# Altium PCB PCB_Raspberry_V5.PcbDoc (part 1 of 2) (continued)
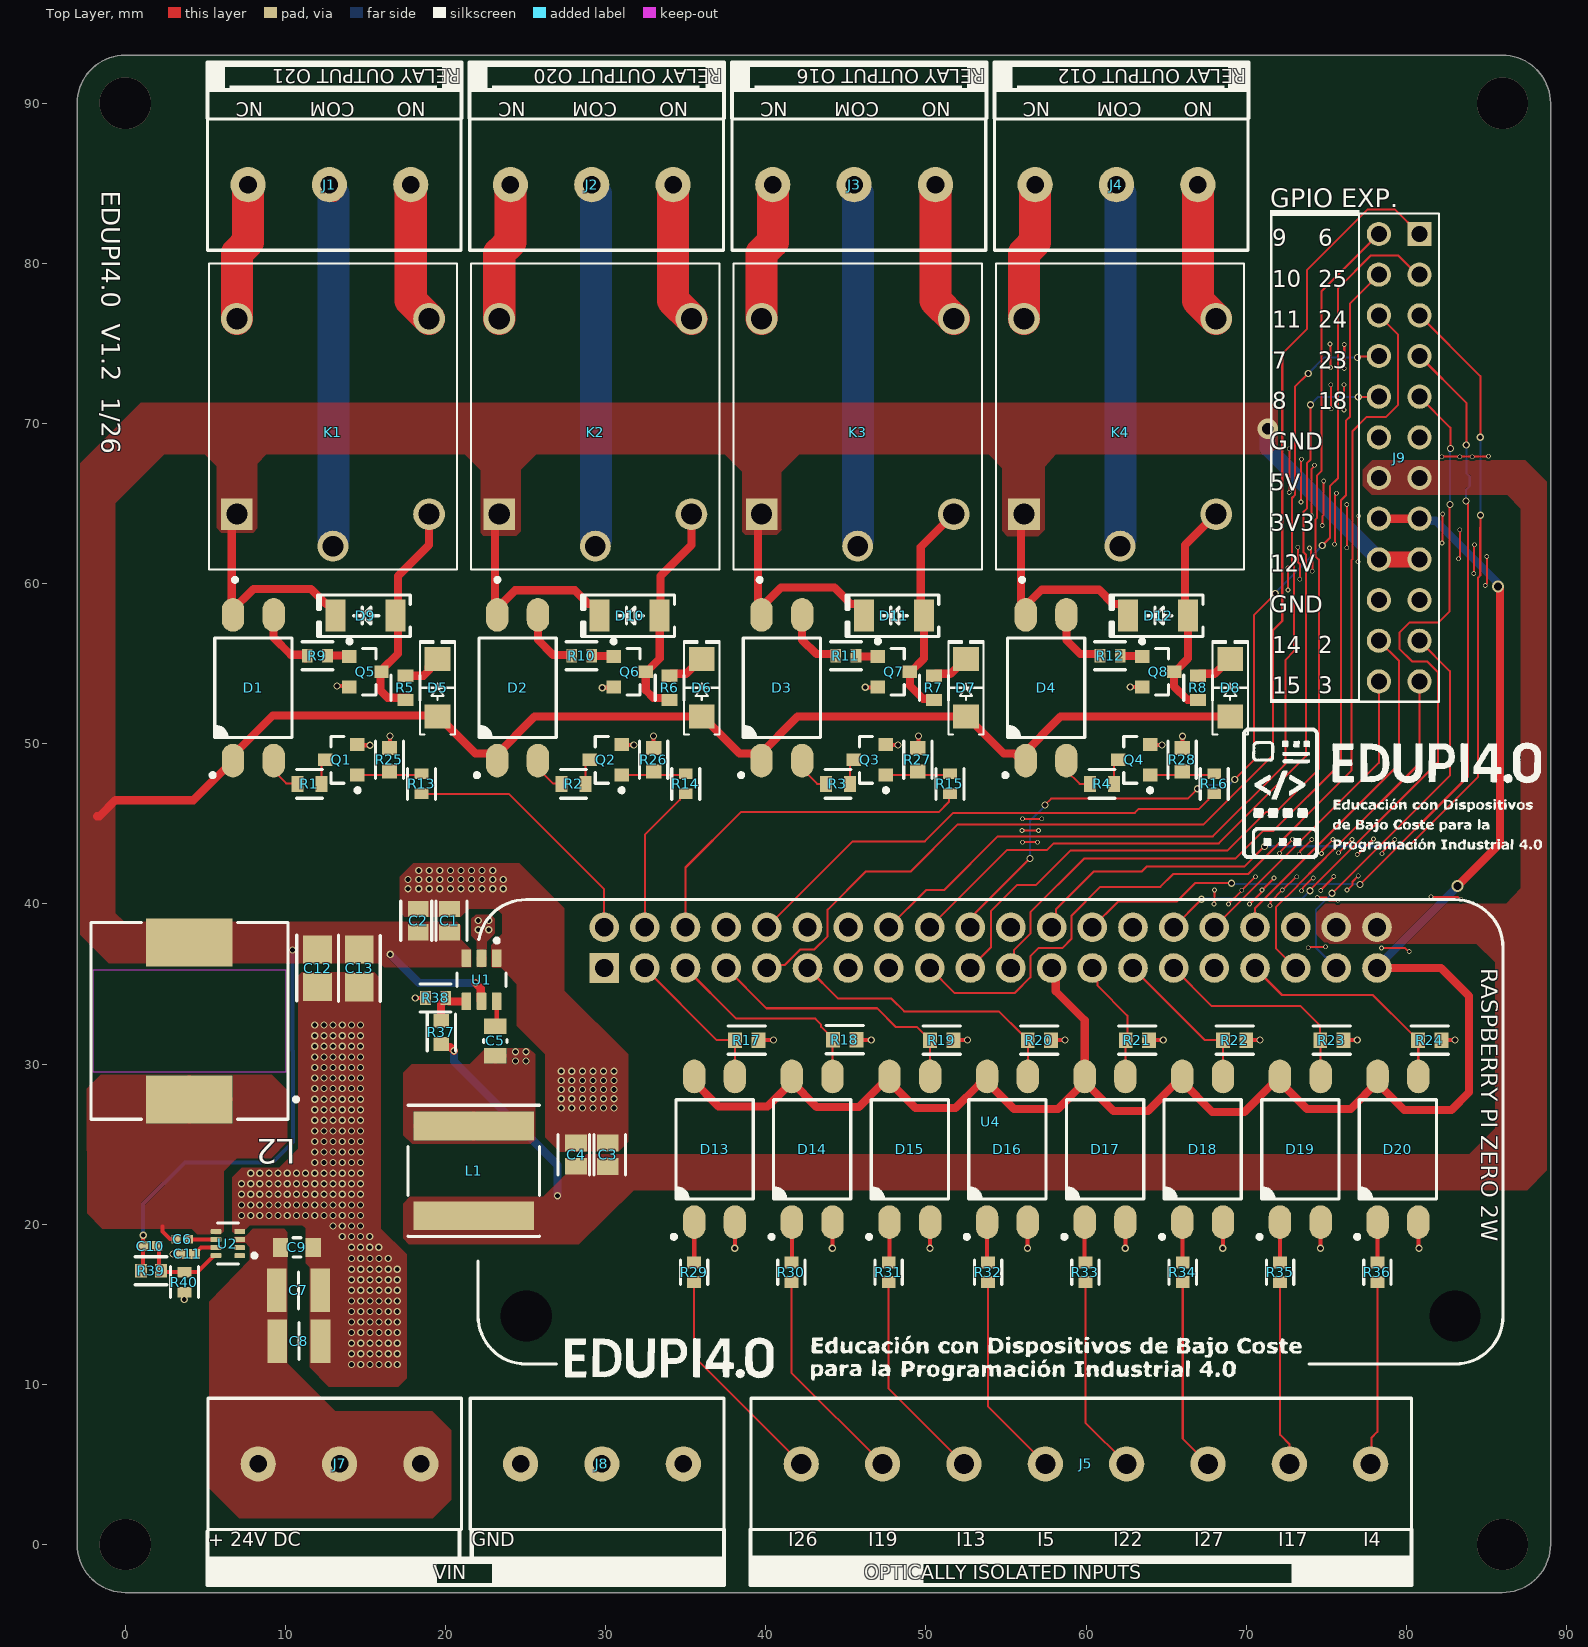
[diagram p0: Top Layer view]
## Footprints (in the part's own frame and the unit in brackets; to place one, negate y for a bottom-side part, rotate by r counter-clockwise, add the part's x,y. Pads: shape width x height; smd on the part's side, far side on the other; paste and mask are expansions set on the pad)
"2X12 MALE HEADER" [mm]
  rect 1.508x1.508 hole 1: 1(-13.97,1.27)
  round 1.508 hole 1: 2(-11.43,1.27) 3(-8.89,1.27) 4(-6.35,1.27) 5(-3.81,1.27) 6(-1.27,1.27) 7(1.27,1.27) 8(3.81,1.27) 9(6.35,1.27) 10(8.89,1.27) 11(11.43,1.27) 12(13.97,1.27) 13(-13.97,-1.27) 14(-11.43,-1.27) 15(-8.89,-1.27) 16(-6.35,-1.27) 17(-3.81,-1.27) 18(-1.27,-1.27) 19(1.27,-1.27) 20(3.81,-1.27) 21(6.35,-1.27) 22(8.89,-1.27) 23(11.43,-1.27) 24(13.97,-1.27)
  silkscreen extent -15.24,-2.5 15.24,2.5
CAPC1005X55X25LL05T10 [mm] "Chip Capacitor, 2-Leads, Body 1.05x0.55mm, IPC High Density"
  rect 0.56x0.52 smd: 1(-0.39,0) 2(0.39,0)
  body extent -0.53,-0.28 0.53,0.28, height 0.55
CAPC1005X55X25NL05T10 [mm] "Chip Capacitor, 2-Leads, Body 1.00x0.50mm, IPC Medium Density"
  rect 0.66x0.62 smd: 1(-0.44,0) 2(0.44,0)
  body extent -0.53,-0.28 0.53,0.27, height 0.55
CAPC3225X270N [mm]
  rect 1.22x2.72 smd: 1(-1.35,0) 2(1.35,0)
  silkscreen extent 0,-1.15 0,1.15, body extent -1.6,-1.25 1.6,1.25, height 2.7
FP-C3216-160-0_2-IPC_B [mm]
  rect 1.754x1.806 smd paste+0 mask+0: 1(-1.176,0) 2(1.176,0)
  silkscreen extent -2.05,-1.3 2.05,1.3, body extent -2.3,-1.15 2.3,1.15, height 0.25
FP-CC0805-0_85-MFG [mm]
  rect 0.95x1.4 smd paste+0 mask+0: 1(-0.925,0) 2(0.925,0)
  silkscreen extent -0.08,-0.72 0.08,0.72, body extent -1.6,-1.05 1.6,1.05, height 0.25
FP-CGA3E-0_3-0_1-IPC_A [mm]
  rect 0.956x1.206 smd paste+0 mask+0: 1(-1.025,0) 2(1.025,0)
  silkscreen extent -0.25,-0.6 0.25,0.6, body extent -2,-1.1 2,1.1, height 0.25
FP-CRCW0603-e3-IPC_C [mm]
  rect 0.735x0.862 smd paste+0 mask+0: 1(-0.615,0) 2(0.615,0)
  silkscreen extent -0.75,-0.85 0.75,0.85, body extent -1.08,-0.58 1.08,0.58, height 0.25
FP-CRCW0603-HPe3-IPC_C [mm]
  rect 0.758x0.862 smd paste+0 mask+0: 1(-0.627,0) 2(0.627,0)
  silkscreen extent -1.01,-0.87 1.01,0.87, body extent -1.11,-0.58 1.11,0.58, height 0.25
FP-CRCW0603-HPe3-MFG [mm]
  rect 0.75x1 smd paste+0 mask+0: 1(-0.75,0) 2(0.75,0)
  silkscreen extent -0.8,-0.9 0.8,0.9, body extent -1.22,-0.6 1.22,0.6, height 0.25
FP-DDC0006A-MFG [mm]
  rrect17% 1.1x0.6 smd paste+0 mask+0: 1(-1.35,0.95) 2(-1.35,0) 3(-1.35,-0.95) 4(1.35,-0.95) 5(1.35,0) 6(1.35,0.95)
  silkscreen extent -2.57,-1.53 0.42,1.53, body extent -2,-1.63 2,1.63, height 0.25
FP-DRL0008A-MFG [mm]
  rrect33% 0.67x0.3 smd paste+0 mask+0: 1(-0.74,0.75) 2(-0.74,0.25) 3(-0.74,-0.25) 4(-0.74,-0.75) 5(0.74,-0.75) 6(0.74,-0.25) 7(0.74,0.25) 8(0.74,0.75)
  silkscreen extent -1.78,-1.28 0.65,1.28, body extent -1.17,-1.35 1.17,1.35, height 0.25
FP-GRM21B-0_2-e0_2_0_7-IPC_C [mm]
  rect 1.055x1.356 smd paste+0 mask+0: 1(-0.726,0) 2(0.726,0)
  silkscreen extent -1.25,-1.12 1.25,1.12, body extent -1.35,-0.82 1.35,0.82, height 0.25
FP-GRM21B-0_15-IPC_C [mm]
  rect 1.006x1.308 smd paste+0 mask+0: 1(-0.726,0) 2(0.726,0)
  silkscreen extent -1.23,-1.1 1.23,1.1, body extent -1.33,-0.8 1.33,0.8, height 0.25
FP-MCT0603-IPC_B [mm]
  rect 0.864x0.962 smd paste+0 mask+0: 1(-0.729,0) 2(0.729,0)
  silkscreen extent -1.16,-0.88 1.16,0.88, body extent -1.41,-0.73 1.41,0.73, height 0.25
FP-MCT0603-IPC_C [mm]
  rect 0.664x0.862 smd paste+0 mask+0: 1(-0.629,0) 2(0.629,0)
  silkscreen extent -0.96,-0.87 0.96,0.87, body extent -1.06,-0.58 1.06,0.58, height 0.25
FP-NR8040-H_4_2-MFG [mm]
  rect 1.8x7.5 smd paste+0 mask+0: 1(-2.8,0) 2(2.8,0)
  silkscreen extent -4.1,-4.1 4.1,4.1, body extent -4.2,-4.2 4.2,4.2, height 0.25
"LED 1206_3216 RED" [mm] "Chip Diode, 2-Leads, Body 3.13x1.55mm, IPC Medium Density"
  rect 1.5x1.6 smd: 1(-1.8,0) 2(1.8,0)
  silkscreen extent -2.92,-1.1 2.92,1.1, body extent -1.6,-0.8 1.6,0.8, height 0.9
"LITEON LTV-817" [mm] "SOP, 4-Leads, Body 4.60x6.50mm, Pitch 2.54mm, IPC Medium Density"
  oval 2.1x1.4 smd: 1(-4.55,1.27) 2(-4.55,-1.27) 3(4.55,-1.27) 4(4.55,1.27)
  silkscreen extent -5.59,-2.41 3.1,2.66, body extent -5.1,-2.3 5.1,2.3, height 3.85
ONSC-SOT-23-3-318-08_V [mm] "SOT23, 3-Leads, Body 2.92x1.3mm, Pitch 0.95mm"
  rect 0.9x0.8 smd: 1(-1,0.95) 2(-1,-0.95) 3(1,0)
  silkscreen extent -1.13,-1.46 0.65,2.02, body extent -0.65,-1.46 0.65,1.46, height 1.11
"Raspberry Pi Zero 2 W" [mm]
  round 1.85 hole 1.15: 1(0,-48.26) 2(2.54,-48.26) 3(0,-45.72) 4(2.54,-45.72) 5(0,-43.18) 6(2.54,-43.18) 7(0,-40.64) 8(2.54,-40.64) 9(0,-38.1) 10(2.54,-38.1) 11(0,-35.56) 12(2.54,-35.56) 13(0,-33.02) 14(2.54,-33.02) 15(0,-30.48) 16(2.54,-30.48) 17(0,-27.94) 18(2.54,-27.94) 19(0,-25.4) 20(2.54,-25.4) 21(0,-22.86) 22(2.54,-22.86) 23(0,-20.32) 24(2.54,-20.32) 25(0,-17.78) 26(2.54,-17.78) 27(0,-15.24) 28(2.54,-15.24) 29(0,-12.7) 30(2.54,-12.7) 31(0,-10.16) 32(2.54,-10.16) 33(0,-7.62) 34(2.54,-7.62) 35(0,-5.08) 36(2.54,-5.08) 37(0,-2.54) 38(2.54,-2.54) 40(2.54,0)
  rect 1.85x1.85 hole 1.15: 39(0,0)
  round 3 hole 3.2: 41(-21.73,4.871) 43(-21.73,-53.129)
  body extent -25.85,-56.66 4.75,8.34, height 5.39
RELAY_SRD-05VDC-SL-C [mm]
  rect 1.98x1.98 / inner round 1.98 / far side rect 1.98x1.98 hole 1.32: A1(-6.1,6)
  round 1.98 hole 1.32: A2(-6.1,-6) NC(6.1,6) NO(6.1,-6)
  round 1.935 hole 1.29: COM(-8.1,0)
  silkscreen extent -10.3,-7.75 9.55,7.75, body extent -9.6,-7.8 9.6,7.8, height 15.8
"SOD-80 MiniMELF" [mm] "Molded Diode, 2-Leads, Body 3.40x1.50mm, IPC Medium Density"
  rect 1.25x2 smd: 1(-1.875,0) 2(1.875,0)
  silkscreen extent -2.8,-1.3 2.99,1.3, body extent -1.7,-0.75 1.7,0.75, height 1.5
"TE 282837-3" [mm] "Wire to Board Terminal Block Horizontal with Board, 3 Postions, Body 15.84x8.2mm, Pitch 5.08mm"
  round 2.2 hole 1.1: 1(-5.08,0) 2(0,0) 3(5.08,0)
  silkscreen extent -7.62,-4.1 8.22,4.1, body extent -7.62,-4.1 8.22,4.1, height 10.3
"TE 282837-8" [mm] "Wire to Board Terminal Block Horizontal with Board, 8 Postions, Body 41.24x8.2mm, Pitch 5.08mm"
  round 2.2 hole 1.25: 1(-17.78,0) 2(-12.7,0) 3(-7.62,0) 4(-2.54,0) 5(2.54,0) 6(7.62,0) 7(12.7,0) 8(17.78,0)
  silkscreen extent -20.92,-4.1 20.32,4.1, body extent -20.92,-4.1 20.32,4.1, height 10.3
WE-PDA_1280 [mm] "SMD Shielded Power Inductor, 2-leads, body 12x12mm"
  rect 5.4x3 smd: 1(0,4.9) 2(0,-4.9)
  Top Layer keep-out region: -6,3.2 6,3.2 6,-3.2 -6,-3.2
  silkscreen extent -6.78,-6.15 6.15,6.15, body extent -6,-6 6,6, height 7.7

## Part data
C1 C2: library part CMP-2007-03541-2, "Chip Multilayer Ceramic Capacitors for General Purpose, 0805, 10uF, X5R, 15%, 10%, 25V", Case Code (Imperial)=0805, Case Code (Metric)=2012, Dielectric=X5R, Max Operating Temperature=85°C, Min Operating Temperature=-55°C, Package Quantity=1, Tolerance=10%, Voltage=25V, Capacitance=10uF, Case/Package=0805, Depth=1.25mm, Height=1.25mm, Lead Free="Lead Free", Length=2mm, Material=Ceramic, Mount="Surface Mount", Packaging="Tape and Reel", Radiation Hardening=No, Termination=SMD/SMT, Thickness=0.053inch, Voltage Rating=25V, Voltage Rating (DC)=25V, Width=0.049inch
C3 C4: library part CMP-06035-039918-1, "Chip Multilayer Ceramic Capacitors for General Purpose, 0805, 22uF, X5R, 15%, 20%, 10V", Case Code (Imperial)=0805, Case Code (Metric)=2012, Dielectric=X5R, Dielectric Material=Ceramic, Max Operating Temperature=85°C, Min Operating Temperature=-55°C, Package Quantity=3000, Tolerance=20%, Voltage=10V, Capacitance=22uF, Case/Package=0805, Depth=1.25mm, Dissipation Factor=0.035%, Height=1.25mm, Lead Free="Lead Free", Length=2mm, Mount="Surface Mount", Packaging="Tape and Reel", Resistor Type=Ceramic, Termination=SMD/SMT, Thickness=0.057inch, Voltage Rating=10V, Voltage Rating (DC)=10V, Weight=0.000335oz, Width=1.25mm
C5: library part CMP-1036-04410-2, "CAP CER 0.1UF 25V X7R 0805", Capacitance="100 nF", Manufacturer=Yageo, Manufacturer Part Number=CC0805KRX7R8BB104, Package=CC0805-0.85, Temperature="-30°C to +85°C", Temperature Characteristic=X7R, Temperature Range High=+85°C, Temperature Range Low=-30°C, Tolerance=0.1, Voltage Rating="25 V", Automotive=No, Category=Cap, ComponentLink2Description=Datasheet, ComponentLink2URL=http://www.yageo.com/documents/recent/UPY-GPHC_Y5V_6.3V-to-50V_8.pdf, Device Class L1="Passive Components", Device Class L2=Capacitors, Device Class L3="Ceramic Capacitors", Digikey Description="CAP CER 0.1UF 25V X7R 0805", Footprint Url=http://www.yageo.com/exep/pages/download/literatures/UPY-C_GEN_24.pdf, Height=0.95mm, Ipc Land Pattern Name=CAPC200125X85, Lead Free=Yes, Material=Ceramic, Mouser Description="Multilayer Ceramic Capacitors MLCC - SMD/SMT 100nF 25V X7R 10%", Octopart=https://octopart.com/cc0805krx7r8bb104-yageo-39467766, RoHS=TRUE
C6: library part CMP-2000-06331-1, "Chip Capacitor, 0.1 uF, +/- 10%, 10 V, -55 to 125 degC, 0402 (1005 Metric), RoHS, Tape and Reel", Capacitance=100000pF, Case Size/Dimension=0402, Dielectric=X7R, Manufacturer=Murata, Package Description="2-Pin Surface Mount Device, Body 1 x 0.5 mm", Rated Voltage=10V, Tolerance (%)=±10%, Datasheet URL=http://search.murata.co.jp/Ceramy/image/img/A01X/G101/ENG/GRM155R71A104KA01-01.pdf, Datasheet Version=02/2016, Manufacturer URL=http://www.murata.com/, Mounting Technology=SurfaceMount, Package Reference=0402
C7 C8: library part MSASU32MSB5106KPNA01, "Capacitor", Manufacturer_Name="TAIYO YUDEN", Datasheet Link=https://4donline.ihs.com/images/VipMasterIC/IC/TAIY/TAIY-S-A0018972909/TAIY-S-A0018972909-1.pdf?hkey=61A2E4C270F0397D049F8F05BD4F1054, Height=2.7mm, Manufacturer_Part_Number=MSASU32MSB5106KPNA01
C9: library part CMP-2000-07546-2, "Cap Ceramic 100nF 50V X7R 10% Pad SMD 0603 +125°C Automotive T/R", Case Code (Imperial)=0603, Case Code (Metric)=1608, Dielectric=X7R, Max Operating Temperature=125°C, Min Operating Temperature=-55°C, Package Quantity=1, Ratings=AEC-Q200, Tolerance=10%, Voltage=50V, Capacitance=100nF, Case/Package=0603, Composition=Ceramic, Depth=0.8mm, Height=0.8mm, Lead Free="Lead Free", Length=1.6mm, Mount="Surface Mount", Packaging="Tape and Reel", Radiation Hardening=No, REACH SVHC="No SVHC", Termination=SMD/SMT, Thickness=0.035inch, Voltage Rating=50V, Voltage Rating (DC)=50V, Weight=7.1E-05oz, Width=0.8mm
C10: library part CMP-2008-04219-1, Manufacturer=Murata, Part Number=GRM1555C1E6R8CA01D
C11: library part CMP-2008-04594-1, Manufacturer=Murata, Part Number=GRM155R71A333KA01D
C12 C13: library part CMP-2000-05398-2, "Multilayer Ceramic Capacitors 22uF ±20% 35V X5R SMD 1206", Case Code (Imperial)=1206, Case Code (Metric)=3216, Dielectric=X5R, Dielectric Material=Ceramic, Max Operating Temperature=85°C, Min Operating Temperature=-55°C, Package Quantity=2000, Tolerance=20%, Voltage=35V, Capacitance=22uF, Case/Package=1206, Construction=Flat, Depth=1.6mm, Height=1.6mm, Lead Free="Lead Free", Length=3.2mm, Mount="Surface Mount", Packaging="Tape and Reel", Radiation Hardening=No, REACH SVHC="No SVHC", Resistor Type=Ceramic, RoHS Compliant=Yes, Series=C, Termination=SMD/SMT, Thickness=1.6mm, Voltage Rating=35V, Voltage Rating (DC)=35V, Weight=0.000571oz, Width=0.063inch
D1 D2 D3 D4 D13 D14 D15 D16 D17 D18 D19 D20: "OPTOISOLATR 5KV TRANSISTOR 4-SMD", Current - DC Forward (If) (Max)=50mA, Current Transfer Ratio (Max)="600% @ 5mA", Current Transfer Ratio (Min)="50% @ 5mA", Device Package="4-SMD, Gull Wing", Manufacturer="Lite-On Inc.", Operating Temperature="-30°C ~ 110°C", Supplier Device Package=4-SMD, Supplier Part Number 1=160-2038-1-ND, Voltage - Forward (Vf) (Typ)=1.2V, Voltage - Isolation=5000Vrms, Voltage - Output (Max)=35V, ComponentLink1Description=Datasheet, ComponentLink1URL=http://optoelectronics.liteon.com/upload/download/DS-70-96-0016/LTV-8X7%20series%20201610%20.pdf, ComponentLink2Description="DigiKey Link", ComponentLink2URL=http://digikey.com/product-detail/en/lite-on-inc/LTV-817S-TA/160-2038-1-ND/3711420, Current - Output / Channel=50mA, Input Type=DC, LastUpdated="12/01/2020 21:59:02", Lifecycle Status=Active, Minimum Order=1, Mounting Type="Surface Mount", Number of Channels=1, Output Type=Transistor, Package / Case="4-SMD, Gull Wing", Packaging=TapeAndReel, Part Number=LTV-817S-TA, Part Status=Active, Price=0.12, Rise / Fall Time (Typ)="4µs, 3µs", Series=-, Supplier 1=DigiKey, Vce Saturation (Max)=200mV
D5 D6 D7 D8: library part LTST-C150KAKT, "LED RED CLEAR SMD", Current - Test=20mA, Device Package="1206 (3216 Metric)", Lens Color=Colorless, Manufacturer="Lite-On Inc.", Millicandela Rating=55mcd, Supplier Part Number 1=160-1402-1-ND, Voltage - Forward (Vf) (Typ)=2V, Color=Red, ComponentLink1Description=Datasheet, ComponentLink1URL=//media.digikey.com/pdf/Data%20Sheets/Lite-On%20PDFs/LTST-C150KAKT.pdf, ComponentLink2Description="DigiKey Link", ComponentLink2URL=http://digikey.com/product-detail/en/lite-on-inc/LTST-C150KAKT/160-1402-1-ND/386755, Configuration=Standard, Height (Max)=1.10mm, LastUpdated="03/06/2024 20:00:41", Lens Size="2.06mm x 1.60mm", Lens Style="Rectangle with Flat Top", Lens Transparency=Clear, Lifecycle Status=Active, Minimum Order=1, Mounting Type="Surface Mount", Package / Case="1206 (3216 Metric)", Packaging=TapeAndReel, Part Number=LTST-C150KAKT, Part Status=Active, PartId=189, Price=0.07, Series=-, Size / Dimension="3.20mm L x 1.60mm W", Supplier 1=DigiKey, Viewing Angle=130°, Wavelength - Dominant=615nm, Wavelength - Peak=621nm
D9 D10 D11 D12: "DIODE GEN PURP 100V 200MA SOD80", Current - Average Rectified (Io)=200mA, Current - Reverse Leakage @ Vr="25nA @ 20V", Manufacturer="ON Semiconductor", Operating Temperature - Junction="-55°C ~ 175°C", Package / Case="DO-213AC, MINI-MELF, SOD-80", Supplier Device Package=SOD-80, Supplier Part Number 1=LL4148FSCT-ND, Voltage - DC Reverse (Vr) (Max)=100V, Voltage - Forward (Vf) (Max) @ If="1V @ 10mA", ComponentLink1Description=Datasheet, ComponentLink1URL=https://www.onsemi.com/pub/Collateral/LL4148-D.pdf, ComponentLink2Description="DigiKey Link", ComponentLink2URL=http://digikey.com/product-detail/en/on-semiconductor/LL4148/LL4148FSCT-ND/1923118, Diode Type=Standard, LastUpdated="03/06/2024 20:05:39", Lifecycle Status=Active, Minimum Order=1, Mounting Type="Surface Mount", Packaging=TapeAndReel, Part Number=LL4148, Part Status=Active, PartId=2621, Price=0.02, Reverse Recovery Time (trr)=4ns, Series=-, Speed="Small Signal =< 200mA (Io), Any Speed", Supplier 1=DigiKey
J1 J2 J3 J4 J7 J8: "TERM BLK 3P SIDE ENT 5.08MM PCB", Color=Green, Current="13.5 A", Manufacturer="TE Connectivity AMP Connectors", Supplier Part Number 1=A113321-ND, Voltage="300 V", ComponentLink1Description=Datasheet, ComponentLink1URL=https://www.te.com/commerce/DocumentDelivery/DDEController?Action=srchrtrv&DocNm=282837&DocType=Customer+Drawing&DocLang=English, ComponentLink2Description="DigiKey Link", ComponentLink2URL=https://www.digikey.com/en/products/detail/te-connectivity-amp-connectors/282837-3/2187974, Features="Interlocking (Side)", LastUpdated="21/06/2022 15:00:39", Lifecycle Status=Active, Mating Orientation="Horizontal with Board", Minimum Order=1, Mounting Type="Through Hole", Number of Levels=1, Packaging=Tray, Part Number=282837-3, Part Status=Active, Pitch="0.200\" (5.08mm)", Positions Per Level=3, Price=0.47, Series=Buchanan, Supplier 1=DigiKey, Wire Gauge="16-28 AWG", Wire Termination="Screw - Rising Cage Clamp"
J5: "TERM BLK 8P SIDE ENT 5.08MM PCB", Color=Green, Current="13.5 A", Manufacturer="TE Connectivity AMP Connectors", Supplier Part Number 1=282837-8-ND, Voltage="300 V", ComponentLink1Description=Datasheet, ComponentLink1URL=https://www.te.com/commerce/DocumentDelivery/DDEController?Action=srchrtrv&DocNm=282837&DocType=Customer+Drawing&DocLang=English, ComponentLink2Description="DigiKey Link", ComponentLink2URL=https://www.digikey.com/en/products/detail/te-connectivity-amp-connectors/282837-8/2222331, Features="Interlocking (Side)", LastUpdated="21/06/2022 15:01:52", Lifecycle Status=Active, Mating Orientation="Horizontal with Board", Minimum Order=1, Mounting Type="Through Hole", Number of Levels=1, Packaging=Bulk, Part Number=282837-8, Part Status=Active, Pitch="0.200\" (5.08mm)", Positions Per Level=8, Price=1.64, Series=Buchanan, Supplier 1=DigiKey, Wire Gauge="16-28 AWG", Wire Termination="Screw - Rising Cage Clamp"
J9: "Conn Unshrouded Header HDR 20 POS 2.54mm Solder ST Thru-Hole Box", Package=None, Availability=Good, Check_prices=https://www.snapeda.com/parts/1-826656-0/TE%20Connectivity%20AMP%20Connectors/view-part/2881856/?ref=eda, MF="TE Connectivity", MP=1-826656-0, Price=None, Purchase-URL=https://pricing.snapeda.com/search/part/1-826656-0/?ref=eda, SnapEDA_Link=https://www.snapeda.com/parts/1-826656-0/TE%20Connectivity%20AMP%20Connectors/view-part/2881856/?ref=snap
K1 K2 K3 K4: library part SRD-05VDC-SL-C, "5V Trigger Relay Module For Arduino And Raspberry Pi 5V Trigger Relay Module For Arduino And Raspberry Pi", Package="NON STANDARD-5 Songle Relay", Availability="Not in stock", Check_prices=https://www.snapeda.com/parts/SRD-05VDC-SL-C/Songle+Relay/view-part/?ref=eda, MF="Songle Relay", MP=SRD-05VDC-SL-C, Price=None, SnapEDA_Link=https://www.snapeda.com/parts/SRD-05VDC-SL-C/Songle+Relay/view-part/?ref=snap
L1: library part CMP-14484-000667-1, "Shielded Wirewound Inductor 3.3uH 30% 6A 19.5mΩ SMD", RoHS Compliant=Yes
L2: library part CMP-03913-56466835-3, "Power Inductor, 22Uh, Shielded, 4A Rohs Compliant: Yes", Case/Package=Nonstandard, Current Rating=4A, DC Resistance (DCR)=44.5mΩ, Inductance=22µH, Max Operating Temperature=125°C, Min Operating Temperature=-40°C, Ratings=AEC-Q200, Saturation Current=4.7A, Self Resonant Frequency=15.6MHz, Test Frequency=100kHz, Tolerance=20%, Composition=Wirewound, Core Material=Ferrite, Height - Seated (Max)=8.3058mm, Length=11.9888mm, Mount="Surface Mount", RoHS=Compliant, Shielding=Shielded, Width=11.9888mm
Q1 Q2 Q3 Q4 Q5 Q6 Q7 Q8: library part CMP-1048-00625-1, "General Purpose Transistor, NPN Silicon, 3-Pin SOT-23, Pb-Free, Tape and Reel", Manufacturer="On Semiconductor", ComponentLink1Description="Manufacturer URL", ComponentLink1URL=http://www.onsemi.com/, ComponentLink2Description=Datasheet, ComponentLink2URL=http://www.onsemi.cn/pub_link/Collateral/MMBT3904LT1-D.PDF, ComponentLink3Description="Package Specification", ComponentLink3URL=http://www.onsemi.cn/pub_link/Collateral/318-08.PDF, DatasheetVersion="Rev. 12", fT Min (MHz)=300, IC Continuous (A)=0.2, Mounting Technology="Surface Mount", PackageDescription="3-Pin Small Outline Transistor, Body 2.92 x 1.3 mm, Pitch 0.95 mm", PackageReference=SOT-23-3-318-08, PackageVersion="Rev. AP, 11/2009", Packing="Tape and Reel", PartNumber=SMMBT3904LT1G, Polarity=NPN, RoHS=TRUE
R1 R2 R3 R4 R5 R6 R7 R8: library part CMP-02407-003128-1, "RES Thick Film, 820Ω, 1%, 0.33W, 100ppm/°C, 0603", Case Code (Imperial)=0603, Case Code (Metric)=1608, Max Operating Temperature=155°C, Max Power Dissipation=250mW, Min Operating Temperature=-55°C, Package Quantity=1, Resistance=820R, Temperature Coefficient=100ppm/°C, Tolerance=1%, Voltage Rating=75V, Case/Package=0603, Composition="Thick Film", Contact Plating=Tin, Depth=0.85mm, Features="Automotive AEC-Q200", Height=0.45mm, Lead Free="Lead Free", Length=1.6mm, Military Standard=Not, Number of Terminations=2, Packaging="Tape and Reel", Power Rating=250mW, Radiation Hardening=No, Termination=SMD/SMT, Voltage Rating (DC)=75V, Weight=7.1E-05oz, Width=0.033inch
R9 R10 R11 R12 R13 R14 R15 R16: library part CMP-02407-000265-1, "MCT0603PD1001DP500 RES SMD 100 OHM 1% 1/8W 0603", Case Code (Imperial)=0603, Case Code (Metric)=1608, Max Operating Temperature=175°C, Max Power Dissipation=250mW, Min Operating Temperature=-55°C, Resistance=1kR, Temperature Coefficient=25ppm/°C, Tolerance=0.5%, Case/Package=0603, Composition="Thin Film", Features="Automotive AEC-Q200", Number of Terminations=2, Packaging="Tape and Reel"
R17 R18 R19 R20 R21 R22 R23 R24 R25 R26 R27 R28: library part CMP-02407-000530-1, "MCT0603MD1002BP100 RES SMD 10k OHM 1% 1/8W 0603", Case Code (Imperial)=0603, Case Code (Metric)=1608, Max Operating Temperature=155°C, Max Power Dissipation=125mW, Min Operating Temperature=-55°C, Package Quantity=1, Resistance=10kR, Temperature Coefficient=25ppm/°C, Tolerance=0.1%, Voltage Rating=75V, Case/Package=0603, Composition="Thin Film", Contact Plating=Tin, Depth=0.85mm, Features="Automotive AEC-Q200", Height=0.45mm, Lead Free="Lead Free", Length=1.55mm, Military Standard=Not, Number of Terminations=2, Packaging="Tape and Reel", Power Rating=125mW, Radiation Hardening=No, REACH SVHC="No SVHC", Voltage Rating (DC)=75V, Width=0.033inch
R29 R30 R31 R32 R33 R34 R35 R36: library part CMP-02407-004713-1, "CRCW06031K50FKEC RES Thick Film, 1.5kΩ, 1%, 0.1W, 100ppm/°C, 0603", Case/Package=0603, Max Operating Temperature=155°C, Max Power Dissipation=100mW, Min Operating Temperature=-55°C, Package Quantity=20000, Resistance=1.5kR, Temperature Coefficient=100ppm/°C, Tolerance=1%, Composition="Thick Film", Depth=0.85mm, Features="Automotive AEC-Q200", Height=0.02inch, Lead Free="Lead Free", Length=0.061inch, Military Standard=Not, Number of Terminations=2, Packaging="Tape and Reel", Width=0.033inch
R37: library part CMP-02407-010240-1, "RES SMD 100 OHM 1% 1/8W 0603", Case Code (Imperial)=0603, Case Code (Metric)=1608, Max Operating Temperature=125°C, Max Power Dissipation=125mW, Min Operating Temperature=-55°C, Package Quantity=5000, Power Rating=100mW, Resistance=56.2kR, Temperature Coefficient=50ppm/°C, Tolerance=1%, Voltage Rating=75V, Case/Package=0603, Composition="Thin Film", Contact Plating=Tin, Depth=0.85mm, Height=0.022inch, Lead Free="Lead Free", Length=0.061inch, Military Standard=Not, Mount="Surface Mount", Number of Terminations=2, Packaging="Tape and Reel", Radiation Hardening=No, Voltage Rating (DC)=75V, Width=0.033inch
R38: library part CMP-02407-000418-1, "RES SMD 10K OHM 1% 1/8W 0603", Case Code (Imperial)=0603, Case Code (Metric)=1608, Max Operating Temperature=125°C, Max Power Dissipation=125mW, Min Operating Temperature=-55°C, Package Quantity=1, Power Rating=100mW, Resistance=10kR, Temperature Coefficient=50ppm/°C, Tolerance=1%, Voltage Rating=75V, Case/Package=0603, Composition="Thin Film", Contact Plating=Tin, Depth=0.85mm, Height=0.022inch, Lead Free="Lead Free", Length=1.55mm, Military Standard=Not, Mount="Surface Mount", Number of Terminations=2, Packaging="Tape and Reel", Radiation Hardening=No, Voltage Rating (DC)=75V, Width=0.8mm
R39: library part CMP-02407-004908-1, "RES Thick Film, 140kΩ, 1%, 0.33W, 100ppm/°C, 0603", Case/Package=0603, Max Operating Temperature=155°C, Max Power Dissipation=250mW, Min Operating Temperature=-55°C, Package Quantity=5000, Resistance=140kR, Temperature Coefficient=100ppm/°C, Tolerance=1%, Composition="Thick Film", Features="Automotive AEC-Q200", Height=0.022inch, Lead Free="Lead Free", Length=0.063inch, Number of Terminations=2, Packaging="Tape and Reel", Width=0.033inch
R40: library part CMP-02407-000418-1, "RES SMD 10K OHM 1% 1/5W 0603", Case Code (Imperial)=0603, Case Code (Metric)=1608, Max Operating Temperature=125°C, Max Power Dissipation=125mW, Min Operating Temperature=-55°C, Package Quantity=1, Power Rating=100mW, Resistance=10kR, Temperature Coefficient=50ppm/°C, Tolerance=1%, Voltage Rating=75V, Case/Package=0603, Composition="Thin Film", Contact Plating=Tin, Depth=0.85mm, Height=0.022inch, Lead Free="Lead Free", Length=1.55mm, Military Standard=Not, Mount="Surface Mount", Number of Terminations=2, Packaging="Tape and Reel", Radiation Hardening=No, Voltage Rating (DC)=75V, Width=0.8mm
U1: library part CMP-04918-000155-1, "IC REG BUCK ADJ 3A TSOT23-6", Case/Package=SOT-23-6, Max Input Voltage=17V, Max Operating Temperature=125°C, Max Output Current=3A, Max Output Voltage=7V, Min Input Voltage=4.5V, Min Operating Temperature=-40°C, Min Output Voltage=760mV, Quiescent Current=190uA, Switching Frequency=650kHz, Contact Plating=Tin, Lead Free="Lead Free", Mount="Surface Mount", Number Of Outputs=1, Operating Supply Voltage=17V, Output Configuration=Positive, Output Current=3A, Output Type=Adjustable, Output Voltage=7V, Packaging="Tape and Reel", Radiation Hardening=No, Synchronous Rectifier=Yes
U2: library part CMP-04918-000714-1, "3.8-V TO 30-V INPUT, 2-A, 200-KH"

## Via types
v1: diameter 0.45, hole 0.3, Top Layer to Bottom Layer, tented both sides, 356 vias
v2: diameter 0.3, hole 0.2, Top Layer to Bottom Layer, tented both sides, 83 vias
v3: diameter 3.2, hole 3.2, Top Layer to Bottom Layer, 4 vias
v4: diameter 0.75, hole 0.5, Top Layer to Bottom Layer, tented both sides, 2 vias
v5: diameter 1.27, hole 0.711, Top Layer to Bottom Layer, tented both sides, 1 vias

## Nets (pads, with @x,y where several pads share a name; then routed paths per layer and width w, separated by ;. In a path a pad name is that pad's centre, name@x,y a point inside that pad or via, vN(x,y) a via of type N, cw(c..) or ccw(c..) an arc to the next point about the centre after c; other vN are vias at no path point)
3V3: D13.4 D14.4 D15.4 D16.4 D17.4 D18.4 D19.4 D20.4 J9.8 J9.20 U4.1 U4.17 | length 119
  Top Layer w0.508: D13.4@35.405,29.169 35.405,29.004 37.056,27.353 40.1,27.353 D14.4@41.626,28.879 ; D14.4@41.626,29.229 D14.4@41.626,28.879 ; U4.17@57.846,36 58.103,35.743 58.103,34.551 59.914,32.74 D17.4@59.914,29.229 ; U4.1@78.166,36 82.168,36 83.919,34.249 83.919,28.242 82.814,27.137 79.868,27.137 D20.4@78.202,28.803 ; D20.4@78.202,29.229 78.202,28.879 76.524,27.201 73.784,27.201 72.106,28.879 D19.4@72.106,29.229 72.106,29.12 71.694,28.708 71.585,28.708 69.887,27.01 67.879,27.01 66.01,28.879 D18.4@66.01,29.229 66.01,29.12 65.598,28.708 65.489,28.708 63.855,27.074 61.719,27.074 59.914,28.879 58.236,27.201 55.496,27.201 53.818,28.879 D16.4@53.818,29.229 53.818,29.12 53.406,28.708 53.297,28.708 51.853,27.264 49.337,27.264 47.722,28.879 D15.4@47.722,29.229 47.722,29.12 47.31,28.708 47.201,28.708 45.821,27.328 43.177,27.328 D14.4@41.626,28.879 ; J9.20@78.28,64.056 J9.8@80.82,64.056 ; v4(83.195,41.133) 85.849,43.787 85.849,59.7 v4(85.735,59.814)
  Bottom Layer w0.508: U4.1@78.166,36 78.166,36.052 83.195,41.081 v4(83.195,41.133) ; J9.8@80.82,64.056 80.944,63.932 81.824,63.932 85.735,60.02 v4(85.735,59.814)
+5V: C3.1 C4.1 J9.7 J9.19 L1.2 R37.2 U4.2 U4.4 | length 12.7
  Top Layer w0.508: R37.2@19.746,31.246 19.924,31.069 20.297,31.069 v1(20.533,30.833)
  Bottom Layer w0.508: v1(20.533,30.833) 20.533,30.172 26.997,23.708 v1(26.997,21.778)
+12V: C1.2 C2.2 C10.2 C12.1 C13.1 D1.1 D1.4 D2.1 D2.4 D3.1 D3.4 D4.1 D4.4 D5.1 D6.1 D7.1 D8.1 D9.2 D10.2 D11.2 D12.2 J9.9 J9.21 K1.A1 K2.A1 K3.A1 K4.A1 L2.2 R39.2 U1.3 U1.5 | length 187.1
  Top Layer w0.254: C10.2@1.119,18.628 v1(1.119,19.307) ; R39.2@1.119,17.28 C10.2@1.119,18.628
  Top Layer w0.508: -1.768,45.476 -1.616,45.476 -0.612,46.479 4.263,46.479 D1.1@6.653,48.869 ; R39.2@0.978,17.096 R39.2@0.983,17.091 0.983,17.143 R39.2@1.119,17.28 ; D1.1@6.653,48.978 6.653,49.219 9.212,51.779 D5.1@19.5,51.779 ; D1.4@6.653,57.969 6.653,64.023 K1.A1@6.972,64.342 ; D1.4@6.653,58.319 8.008,59.675 11.604,59.675 12.541,58.737 12.916,58.737 13.287,58.366 D9.2@13.287,57.991 ; D5.1@19.5,51.7 19.55,51.7 21.86,49.39 22.666,49.39 D2.1@23.078,48.978 ; v1(21.867,35.062) 22.202,34.727 22.202,33.961 U1.5@22.248,33.915 ; D2.1@23.078,48.869 23.078,49.219 25.559,51.7 D6.1@36,51.7 36.05,51.7 38.36,49.39 39.092,49.39 D3.1@39.504,48.978 ; D2.4@23.078,57.969 23.078,64.065 K2.A1@23.355,64.342 ; D2.4@23.078,58.319 24.345,59.586 28.075,59.586 28.924,58.737 29.299,58.737 29.67,58.366 D10.2@29.67,57.991 ; D3.1@39.504,48.869 39.504,49.219 41.985,51.7 D7.1@52.5,51.7 ; D3.4@39.504,57.969 39.504,64.108 K3.A1@39.738,64.342 ; D3.4@39.504,58.319 40.948,59.763 44.281,59.763 45.307,58.737 45.682,58.737 46.053,58.366 D11.2@46.053,57.991 ; D7.1@52.55,51.7 54.86,49.39 55.517,49.39 D4.1@55.929,48.978 ; D4.1@55.929,48.869 55.929,49.219 58.41,51.7 D8.1@69,51.7 ; D4.4@55.929,57.969 55.929,64.15 K4.A1@56.121,64.342 ; D4.4@55.929,58.319 57.234,59.624 60.803,59.624 61.69,58.737 62.065,58.737 62.436,58.366 D12.2@62.436,57.991
  Top Layer w1.016: J9.21@78.28,61.516 J9.9@80.82,61.516
  Bottom Layer w0.254: v1(1.119,19.307) 1.119,21.261 3.718,23.861 9.205,23.861 10.475,25.131 10.475,30.807 10.437,30.845 v1(10.437,37.119)
  Bottom Layer w0.508: v1(16.545,36.853) 18.336,35.062 v1(21.867,35.062)
  Bottom Layer w1.016: v5(71.333,69.669) 71.333,68.463 J9.21@78.28,61.516
+24V: C7.2 C8.2 C9.2 J7.1 J7.2 J7.3 U2.3
CE0: J9.17 U4.24 | length 54.6
  Top Layer w0.127: U4.24@50.226,38.54 55.066,43.38 57.566,43.38 57.973,43.787 68.285,43.787 73.719,49.221 73.719,61.819 73.586,61.952 73.586,64.492 73.782,64.689 73.782,67.52 74.013,67.75 v1(74.013,71.168) ; v1(76.997,71.663) 77.004,71.67 78.274,71.67 J9.17@78.28,71.676
  Bottom Layer w0.127: v1(74.013,71.168) 74.508,71.663 v1(76.997,71.663)
CE1: J9.16 U4.26 | length 58.9
  Top Layer w0.127: U4.26@47.686,38.54 50.017,40.871 51.145,40.871 54.493,44.219 67.917,44.219 72.336,48.638 72.438,48.74 72.438,55.23 72.976,55.768 72.976,61.12 72.859,61.238 72.859,65.347 73.056,65.544 73.056,72.319 73.86,73.124 v1(73.873,73.124) ; v1(76.947,74.127) 76.991,74.172 78.236,74.172 J9.16@78.28,74.216
  Bottom Layer w0.127: v1(73.873,73.124) 74.876,74.127 v1(76.947,74.127)
COM1: J1.2 K1.COM | length 22.7
  Top Layer w1: J1.2@12.749,84.915 12.749,84.59 J1.2@13.002,84.337 ; K1.COM@12.972,62.342 12.972,62.744 K1.COM@13.002,62.774
  Bottom Layer w2: K1.COM@13.002,62.774 J1.2@13.002,84.337
COM2: J2.2 K2.COM | length 21.6
  Bottom Layer w2: K2.COM@29.385,62.774 J2.2@29.385,84.337
COM3: J3.2 K3.COM | length 21.6
  Bottom Layer w2: K3.COM@45.768,62.774 J3.2@45.768,84.337
COM4: J4.2 K4.COM | length 21.6
  Bottom Layer w2: K4.COM@62.151,62.774 J4.2@62.151,84.337
DI1: J9.1 U4.31 | length 78.5
  Top Layer w0.127: U4.31@40.066,36 40.252,36.186 41.182,36.186 42.152,37.156 43.036,37.156 43.863,37.983 43.863,39.647 46.244,42.028 49.038,42.028 51.966,44.955 67.32,44.955 71.657,49.292 71.657,57.077 72.249,57.67 72.249,74.357 73.784,75.892 73.784,79.575 77.582,83.373 79.283,83.373 J9.1@80.82,81.836
DI2: J9.2 U4.22 | length 61.9
  Top Layer w0.127: U4.22@52.766,38.54 53.096,38.87 53.096,39.443 v1(56.5,42.847) ; v1(57.427,46.187) 57.82,46.581 66.355,46.581 v1(66.964,47.19) ; v1(69.288,47.775) 70.476,48.962 70.476,58.03 71.811,59.365 v1(71.811,59.382) ; v1(74.751,62.381) 75.219,62.85 75.219,66.075 75.745,66.601 75.745,78.45 77.785,80.49 79.499,80.49 80.693,79.296 J9.2@80.82,79.296
  Bottom Layer w0.127: v1(56.5,42.847) 56.5,45.184 57.427,46.111 v1(57.427,46.187) ; v1(66.964,47.19) 67.206,47.432 68.946,47.432 v1(69.288,47.775) ; v1(71.811,59.382) 71.811,59.441 v1(74.751,62.381)